# KiCad board panel.kicad_pcb
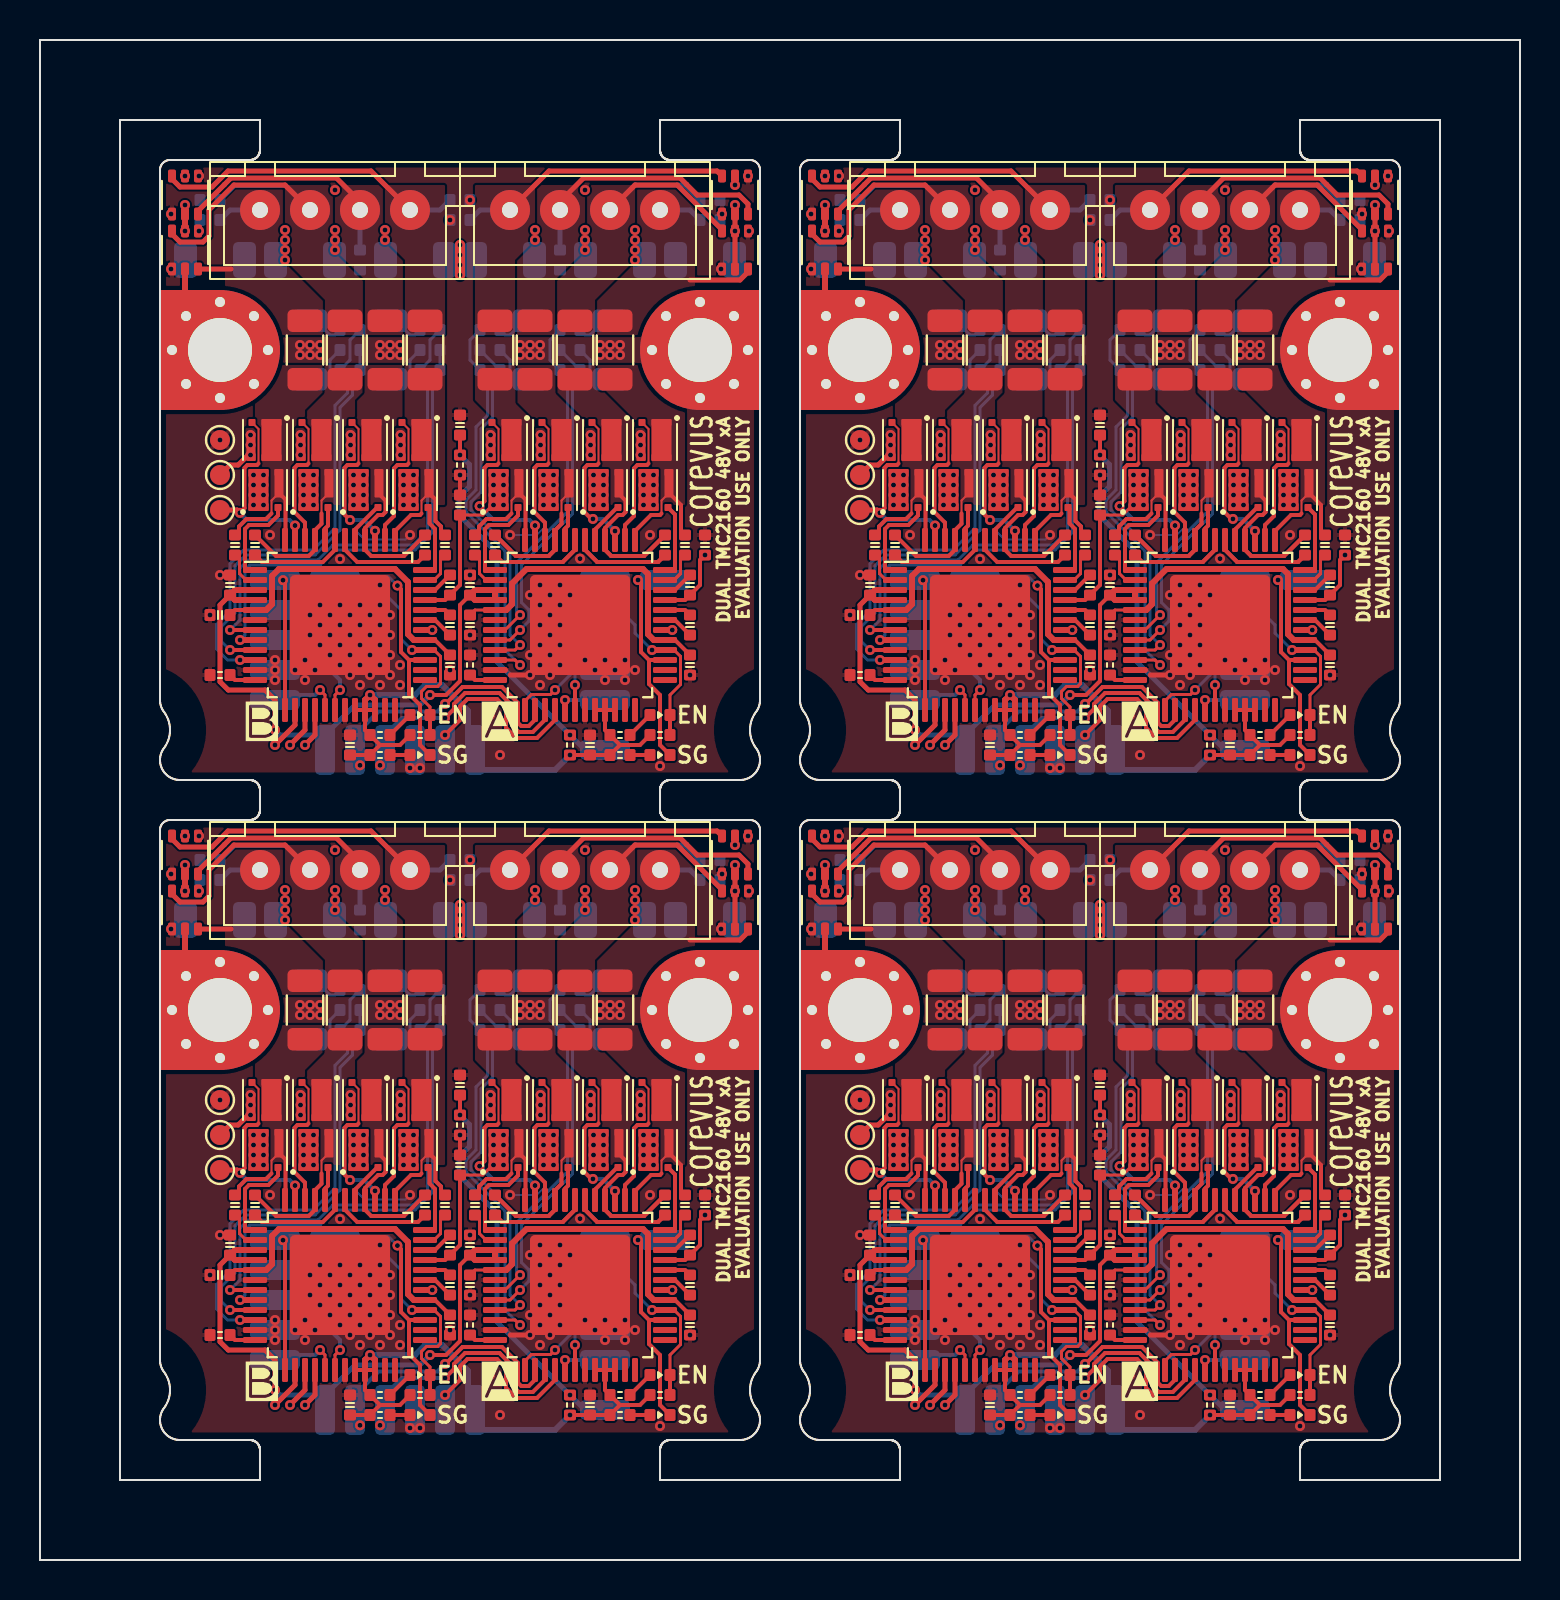
[diagram p0: board, top side]
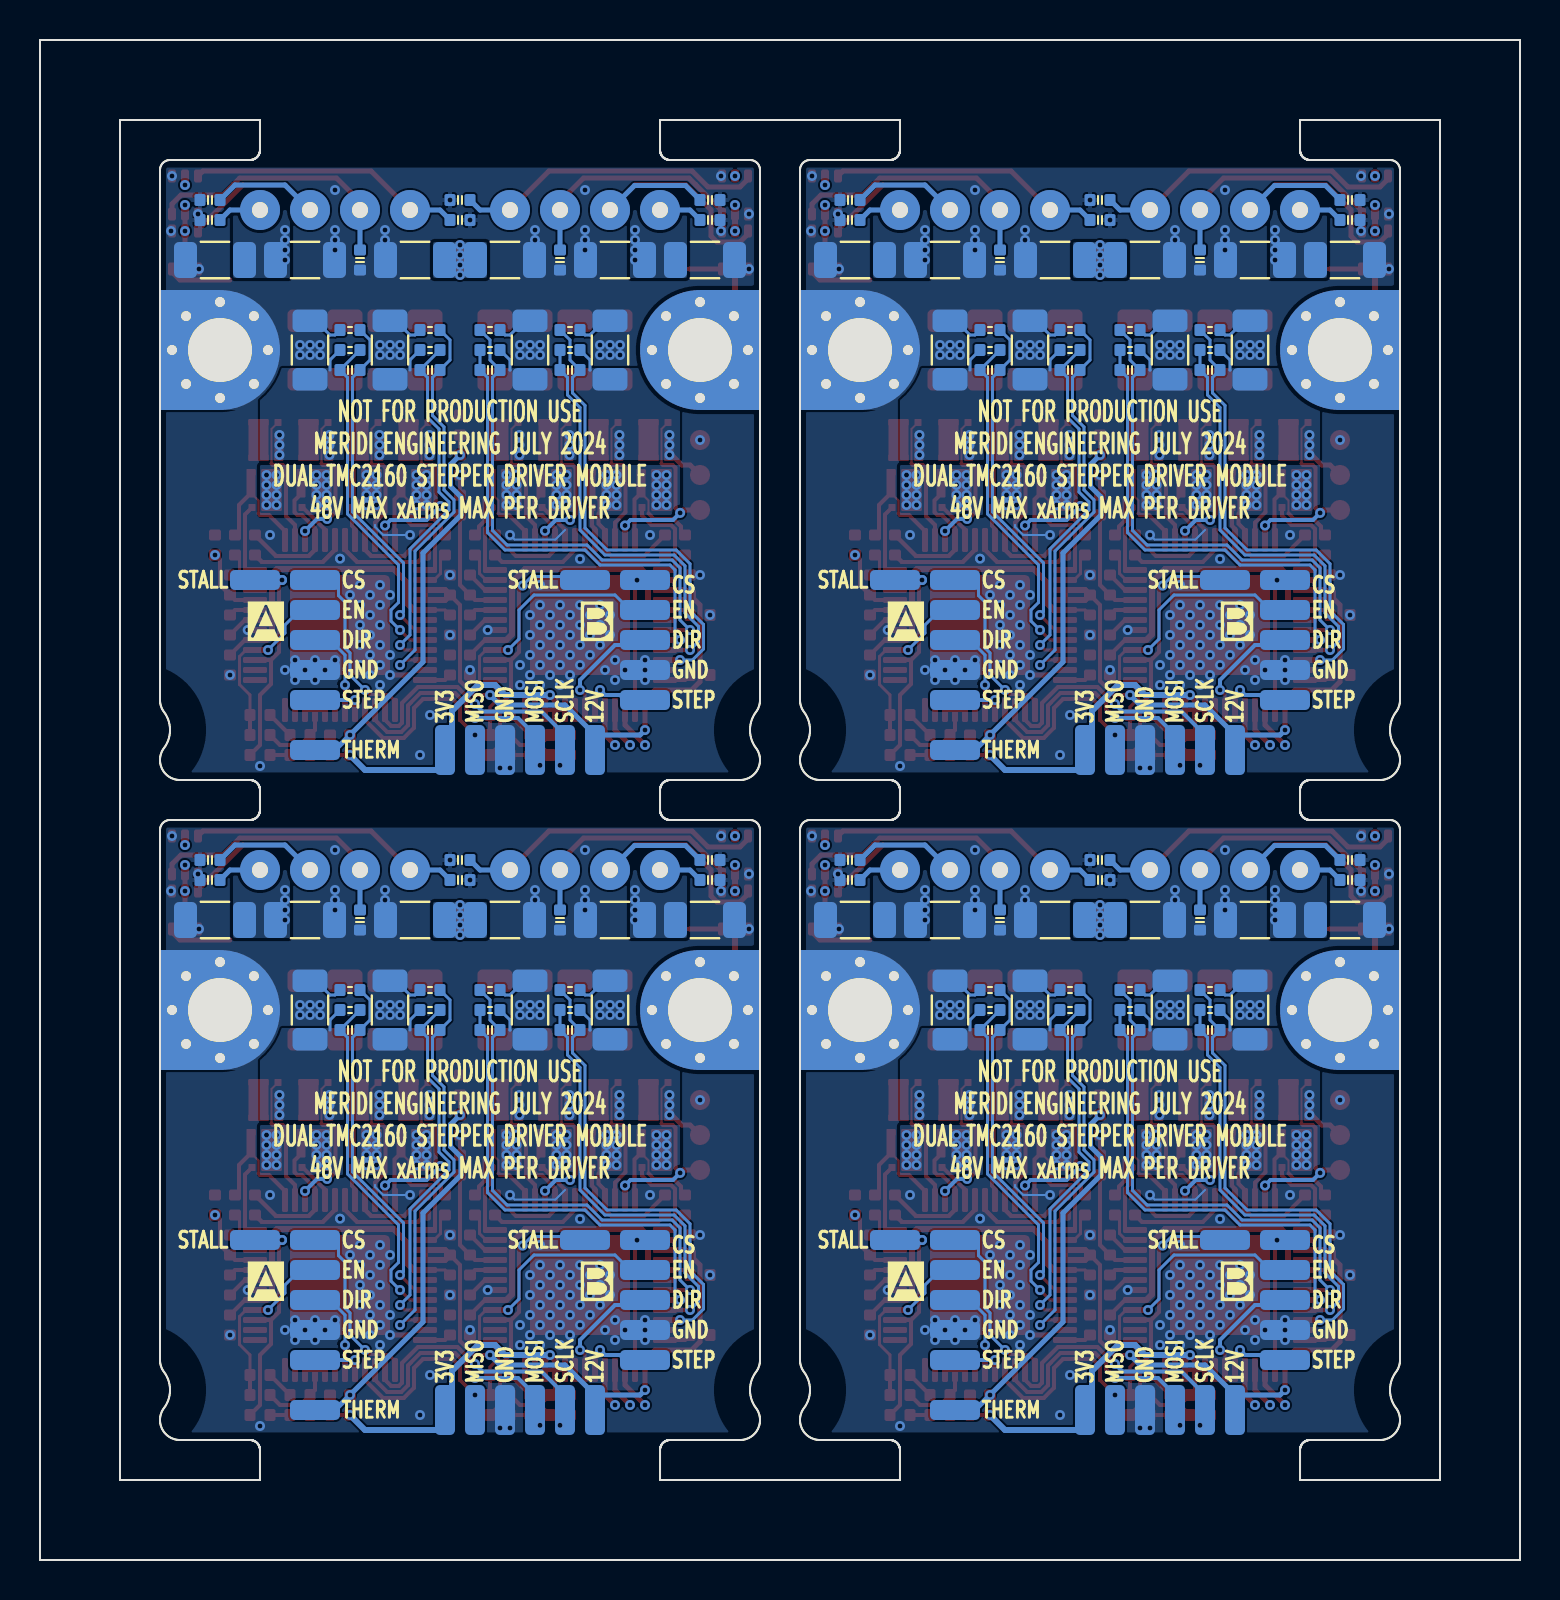
[diagram p1: board, bottom side, seen from below]

Outline 74 x 76 mm; copper layers: Top, In1.Cu, In2.Cu, In3.Cu, In4.Cu, Bottom. Coordinates in mm from the lower left corner of the outline.
Outline path: 0,76 0,0 74,0 74,76 0,76 ; 4,72 11,72 11,72 11,70.5 11,70.48 11,70.45 10.99,70.43 10.99,70.4 10.98,70.38 10.98,70.36 10.97,70.33 10.96,70.31 10.95,70.29 10.94,70.26 10.93,70.24 10.91,70.22 10.9,70.2 10.89,70.18 10.87,70.16 10.85,70.15 10.84,70.13 10.82,70.11 10.8,70.1 10.78,70.09 10.76,70.07 10.74,70.06 10.71,70.05 10.69,70.04 10.67,70.03 10.64,70.02 10.62,70.02 10.6,70.01 10.57,70.01 10.55,70 10.52,70 10.5,70 6.5,70 6.45,70 6.4,69.99 6.35,69.98 6.3,69.96 6.26,69.94 6.21,69.91 6.17,69.88 6.14,69.84 6.1,69.81 6.08,69.76 6.06,69.74 6.04,69.7 6.02,69.65 6.01,69.6 6,69.55 6,69.5 6,43 6,42.95 6.01,42.89 6.01,42.84 6.02,42.79 6.04,42.74 6.05,42.68 6.07,42.63 6.09,42.59 6.11,42.54 6.14,42.49 6.17,42.45 6.22,42.38 6.27,42.31 6.31,42.23 6.35,42.16 6.38,42.08 6.41,42 6.44,41.92 6.46,41.84 6.48,41.75 6.49,41.67 6.5,41.59 6.5,41.5 6.5,41.41 6.49,41.33 6.48,41.25 6.46,41.16 6.44,41.08 6.41,41 6.38,40.92 6.35,40.84 6.31,40.77 6.27,40.69 6.22,40.62 6.17,40.55 6.14,40.51 6.11,40.46 6.09,40.41 6.07,40.37 6.05,40.32 6.04,40.26 6.02,40.21 6.01,40.16 6.01,40.11 6,40.05 6,40 6,39.95 6.01,39.9 6.01,39.85 6.02,39.8 6.03,39.75 6.05,39.7 6.06,39.65 6.08,39.61 6.1,39.56 6.13,39.51 6.15,39.47 6.18,39.43 6.21,39.39 6.24,39.35 6.28,39.31 6.31,39.28 6.35,39.24 6.39,39.21 6.43,39.18 6.47,39.15 6.51,39.13 6.56,39.1 6.61,39.08 6.65,39.06 6.7,39.05 6.75,39.03 6.8,39.02 6.85,39.01 6.9,39.01 6.95,39 7,39 10.5,39 10.54,39 10.56,39 10.59,38.99 10.61,38.99 10.63,38.98 10.66,38.97 10.68,38.97 10.7,38.96 10.72,38.95 10.75,38.93 10.77,38.92 10.79,38.91 10.81,38.89 10.83,38.88 10.84,38.86 10.86,38.84 10.88,38.83 10.89,38.81 10.91,38.79 10.92,38.77 10.93,38.75 10.95,38.72 10.96,38.7 10.97,38.68 10.97,38.66 10.98,38.63 10.99,38.61 10.99,38.59 11,38.56 11,38.54 11,38.51 11,38.5 11,38 11,37.5 11,37.48 11,37.45 10.99,37.43 10.99,37.4 10.98,37.38 10.98,37.36 10.97,37.33 10.96,37.31 10.95,37.29 10.94,37.26 10.93,37.24 10.91,37.22 10.9,37.2 10.89,37.18 10.87,37.16 10.85,37.15 10.84,37.13 10.82,37.11 10.8,37.1 10.78,37.09 10.76,37.07 10.74,37.06 10.71,37.05 10.69,37.04 10.67,37.03 10.64,37.02 10.62,37.02 10.6,37.01 10.57,37.01 10.55,37 10.52,37 10.5,37 6.5,37 6.45,37 6.4,36.99 6.35,36.98 6.3,36.96 6.26,36.94 6.21,36.91 6.17,36.88 6.14,36.84 6.1,36.81 6.08,36.76 6.06,36.74 6.04,36.7 6.02,36.65 6.01,36.6 6,36.55 6,36.5 6,10 6,9.95 6.01,9.89 6.01,9.84 6.02,9.79 6.04,9.74 6.05,9.68 6.07,9.63 6.09,9.59 6.11,9.54 6.14,9.49 6.17,9.45 6.22,9.38 6.27,9.31 6.31,9.23 6.35,9.16 6.38,9.08 6.41,9 6.44,8.92 6.46,8.84 6.48,8.75 6.49,8.67 6.5,8.59 6.5,8.5 6.5,8.41 6.49,8.33 6.48,8.25 6.46,8.16 6.44,8.08 6.41,8 6.38,7.92 6.35,7.84 6.31,7.77 6.27,7.69 6.22,7.62 6.17,7.55 6.14,7.51 6.11,7.46 6.09,7.41 6.07,7.37 6.05,7.32 6.04,7.26 6.02,7.21 6.01,7.16 6.01,7.11 6,7.05 6,7 6,6.95 6.01,6.9 6.01,6.85 6.02,6.8 6.03,6.75 6.05,6.7 6.06,6.65 6.08,6.61 6.1,6.56 6.13,6.51 6.15,6.47 6.18,6.43 6.21,6.39 6.24,6.35 6.28,6.31 6.31,6.28 6.35,6.24 6.39,6.21 6.43,6.18 6.47,6.15 6.51,6.13 6.56,6.1 6.61,6.08 6.65,6.06 6.7,6.05 6.75,6.03 6.8,6.02 6.85,6.01 6.9,6.01 6.95,6 7,6 10.5,6 10.54,6 10.56,6 10.59,5.99 10.61,5.99 10.63,5.98 10.66,5.97 10.68,5.97 10.7,5.96 10.72,5.95 10.75,5.93 10.77,5.92 10.79,5.91 10.81,5.89 10.83,5.88 10.84,5.86 10.86,5.84 10.88,5.83 10.89,5.81 10.91,5.79 10.92,5.77 10.93,5.75 10.95,5.72 10.96,5.7 10.97,5.68 10.97,5.66 10.98,5.63 10.99,5.61 10.99,5.59 11,5.56 11,5.54 11,5.51 11,5.5 11,4 11,4 4,4 4,72 ; 31,72 43,72 43,72 43,70.5 43,70.48 43,70.45 42.99,70.43 42.99,70.4 42.98,70.38 42.98,70.36 42.97,70.33 42.96,70.31 42.95,70.29 42.94,70.26 42.93,70.24 42.91,70.22 42.9,70.2 42.89,70.18 42.87,70.16 42.85,70.15 42.84,70.13 42.82,70.11 42.8,70.1 42.78,70.09 42.76,70.07 42.74,70.06 42.71,70.05 42.69,70.04 42.67,70.03 42.64,70.02 42.62,70.02 42.6,70.01 42.57,70.01 42.55,70 42.52,70 42.5,70 38.5,70 38.45,70 38.4,69.99 38.35,69.98 38.3,69.96 38.26,69.94 38.21,69.91 38.17,69.88 38.14,69.84 38.1,69.81 38.08,69.76 38.05,69.72 38.03,69.67 38.02,69.63 38.01,69.58 38,69.55 38,69.5 38,43 38,42.95 38.01,42.89 38.01,42.84 38.02,42.79 38.04,42.74 38.05,42.68 38.07,42.63 38.09,42.59 38.11,42.54 38.14,42.49 38.17,42.45 38.22,42.38 38.27,42.31 38.31,42.23 38.35,42.16 38.38,42.08 38.41,42 38.44,41.92 38.46,41.84 38.48,41.75 38.49,41.67 38.5,41.59 38.5,41.5 38.5,41.41 38.49,41.33 38.48,41.25 38.46,41.16 38.44,41.08 38.41,41 38.38,40.92 38.35,40.84 38.31,40.77 38.27,40.69 38.22,40.62 38.17,40.55 38.14,40.51 38.11,40.46 38.09,40.41 38.07,40.37 38.05,40.32 38.04,40.26 38.02,40.21 38.01,40.16 38.01,40.11 38,40.05 38,40 38,39.95 38.01,39.9 38.01,39.85 38.02,39.8 38.03,39.75 38.05,39.7 38.06,39.65 38.08,39.61 38.1,39.56 38.13,39.51 38.15,39.47 38.18,39.43 38.21,39.39 38.24,39.35 38.28,39.31 38.31,39.28 38.35,39.24 38.39,39.21 38.43,39.18 38.47,39.15 38.51,39.13 38.56,39.1 38.61,39.08 38.65,39.06 38.7,39.05 38.75,39.03 38.8,39.02 38.85,39.01 38.9,39.01 38.95,39 39,39 42.5,39 42.54,39 42.56,39 42.59,38.99 42.61,38.99 42.63,38.98 42.66,38.97 42.68,38.97 42.7,38.96 42.72,38.95 42.75,38.93 42.77,38.92 42.79,38.91 42.81,38.89 42.83,38.88 42.84,38.86 42.86,38.84 42.88,38.83 42.89,38.81 42.91,38.79 42.92,38.77 42.93,38.75 42.95,38.72 42.96,38.7 42.97,38.68 42.97,38.66 42.98,38.63 42.99,38.61 42.99,38.59 43,38.56 43,38.54 43,38.51 43,38.5 43,38 43,37.5 43,37.48 43,37.45 42.99,37.43 42.99,37.4 42.98,37.38 42.98,37.36 42.97,37.33 42.96,37.31 42.95,37.29 42.94,37.26 42.93,37.24 42.91,37.22 42.9,37.2 42.89,37.18 42.87,37.16 42.85,37.15 42.84,37.13 42.82,37.11 42.8,37.1 42.78,37.09 42.76,37.07 42.74,37.06 42.71,37.05 42.69,37.04 42.67,37.03 42.64,37.02 42.62,37.02 42.6,37.01 42.57,37.01 42.55,37 42.52,37 42.5,37 38.5,37 38.45,37 38.4,36.99 38.35,36.98 38.3,36.96 38.26,36.94 38.21,36.91 38.17,36.88 38.14,36.84 38.1,36.81 38.08,36.76 38.05,36.72 38.03,36.67 38.02,36.63 38.01,36.58 38,36.55 38,36.5 38,10 38,9.95 38.01,9.89 38.01,9.84 38.02,9.79 38.04,9.74 38.05,9.68 38.07,9.63 38.09,9.59 38.11,9.54 38.14,9.49 38.17,9.45 38.22,9.38 38.27,9.31 38.31,9.23 38.35,9.16 38.38,9.08 38.41,9 38.44,8.92 38.46,8.84 38.48,8.75 38.49,8.67 38.5,8.59 38.5,8.5 38.5,8.41 38.49,8.33 38.48,8.25 38.46,8.16 38.44,8.08 38.41,8 38.38,7.92 38.35,7.84 38.31,7.77 38.27,7.69 38.22,7.62 38.17,7.55 38.14,7.51 38.11,7.46 38.09,7.41 38.07,7.37 38.05,7.32 38.04,7.26 38.02,7.21 38.01,7.16 38.01,7.11 38,7.05 38,7 38,6.95 38.01,6.9 38.01,6.85 38.02,6.8 38.03,6.75 38.05,6.7 38.06,6.65 38.08,6.61 38.1,6.56 38.13,6.51 38.15,6.47 38.18,6.43 38.21,6.39 38.24,6.35 38.28,6.31 38.31,6.28 38.35,6.24 38.39,6.21 38.43,6.18 38.47,6.15 38.51,6.13 38.56,6.1 38.61,6.08 38.65,6.06 38.7,6.05 38.75,6.03 38.8,6.02 38.85,6.01 38.9,6.01 38.95,6 39,6 42.5,6 42.54,6 42.56,6 42.59,5.99 42.61,5.99 42.63,5.98 42.66,5.97 42.68,5.97 42.7,5.96 42.72,5.95 42.75,5.93 42.77,5.92 42.79,5.91 42.81,5.89 42.83,5.88 42.84,5.86 42.86,5.84 42.88,5.83 42.89,5.81 42.91,5.79 42.92,5.77 42.93,5.75 42.95,5.72 42.96,5.7 42.97,5.68 42.97,5.66 42.98,5.63 42.99,5.61 42.99,5.59 43,5.56 43,5.54 43,5.51 43,5.5 43,4 43,4 31,4 31,4 31,5.5 31,5.52 31,5.55 31.01,5.57 31.01,5.6 31.02,5.62 31.02,5.64 31.03,5.67 31.04,5.69 31.05,5.71 31.06,5.74 31.07,5.76 31.09,5.78 31.1,5.8 31.11,5.82 31.13,5.84 31.15,5.85 31.16,5.87 31.18,5.89 31.2,5.9 31.22,5.91 31.24,5.93 31.26,5.94 31.29,5.95 31.31,5.96 31.33,5.97 31.36,5.98 31.38,5.98 31.4,5.99 31.43,5.99 31.45,6 31.48,6 31.5,6 35,6 35.05,6 35.1,6.01 35.15,6.01 35.2,6.02 35.25,6.03 35.3,6.05 35.35,6.06 35.39,6.08 35.44,6.1 35.49,6.13 35.53,6.15 35.57,6.18 35.61,6.21 35.65,6.24 35.69,6.28 35.72,6.31 35.76,6.35 35.79,6.39 35.82,6.43 35.85,6.47 35.87,6.51 35.9,6.56 35.92,6.61 35.94,6.65 35.95,6.7 35.97,6.75 35.98,6.8 35.99,6.85 35.99,6.9 36,6.95 36,7 36,7.05 35.99,7.11 35.99,7.16 35.98,7.21 35.96,7.26 35.95,7.32 35.93,7.37 35.91,7.41 35.89,7.46 35.86,7.51 35.83,7.55 35.78,7.62 35.73,7.69 35.69,7.77 35.65,7.84 35.62,7.92 35.59,8 35.56,8.08 35.54,8.16 35.52,8.25 35.51,8.33 35.5,8.41 35.5,8.5 35.5,8.59 35.51,8.67 35.52,8.75 35.54,8.84 35.56,8.92 35.59,9 35.62,9.08 35.65,9.16 35.69,9.23 35.73,9.31 35.78,9.38 35.83,9.45 35.86,9.49 35.89,9.54 35.91,9.59 35.93,9.63 35.95,9.68 35.96,9.74 35.98,9.79 35.99,9.84 35.99,9.89 36,9.95 36,10 36,36.5 36,36.55 35.99,36.6 35.98,36.65 35.96,36.7 35.94,36.74 35.91,36.79 35.88,36.83 35.84,36.86 35.81,36.9 35.76,36.92 35.72,36.95 35.67,36.97 35.63,36.98 35.58,36.99 35.55,37 35.5,37 31.5,37 31.46,37 31.44,37 31.41,37.01 31.39,37.01 31.37,37.02 31.34,37.03 31.32,37.03 31.3,37.04 31.28,37.05 31.25,37.07 31.23,37.08 31.21,37.09 31.19,37.11 31.17,37.12 31.16,37.14 31.14,37.16 31.12,37.17 31.11,37.19 31.09,37.21 31.08,37.23 31.07,37.25 31.05,37.28 31.04,37.3 31.03,37.32 31.03,37.34 31.02,37.37 31.01,37.39 31.01,37.41 31,37.44 31,37.46 31,37.49 31,37.5 31,38 31,38.5 31,38.52 31,38.55 31.01,38.57 31.01,38.6 31.02,38.62 31.02,38.64 31.03,38.67 31.04,38.69 31.05,38.71 31.06,38.74 31.07,38.76 31.09,38.78 31.1,38.8 31.11,38.82 31.13,38.84 31.15,38.85 31.16,38.87 31.18,38.89 31.2,38.9 31.22,38.91 31.24,38.93 31.26,38.94 31.29,38.95 31.31,38.96 31.33,38.97 31.36,38.98 31.38,38.98 31.4,38.99 31.43,38.99 31.45,39 31.48,39 31.5,39 35,39 35.05,39 35.1,39.01 35.15,39.01 35.2,39.02 35.25,39.03 35.3,39.05 35.35,39.06 35.39,39.08 35.44,39.1 35.49,39.13 35.53,39.15 35.57,39.18 35.61,39.21 35.65,39.24 35.69,39.28 35.72,39.31 35.76,39.35 35.79,39.39 35.82,39.43 35.85,39.47 35.87,39.51 35.9,39.56 35.92,39.61 35.94,39.65 35.95,39.7 35.97,39.75 35.98,39.8 35.99,39.85 35.99,39.9 36,39.95 36,40 36,40.05 35.99,40.11 35.99,40.16 35.98,40.21 35.96,40.26 35.95,40.32 35.93,40.37 35.91,40.41 35.89,40.46 35.86,40.51 35.83,40.55 35.78,40.62 35.73,40.69 35.69,40.77 35.65,40.84 35.62,40.92 35.59,41 35.56,41.08 35.54,41.16 35.52,41.25 35.51,41.33 35.5,41.41 35.5,41.5 35.5,41.59 35.51,41.67 35.52,41.75 35.54,41.84 35.56,41.92 35.59,42 35.62,42.08 35.65,42.16 35.69,42.23 35.73,42.31 35.78,42.38 35.83,42.45 35.86,42.49 35.89,42.54 35.91,42.59 35.93,42.63 35.95,42.68 35.96,42.74 35.98,42.79 35.99,42.84 35.99,42.89 36,42.95 36,43 36,69.5 36,69.55 35.99,69.6 35.98,69.65 35.96,69.7 35.94,69.74 35.91,69.79 35.88,69.83 35.84,69.86 35.81,69.9 35.76,69.92 35.74,69.94 35.7,69.96 35.65,69.98 35.6,69.99 35.55,70 35.5,70 31.5,70 31.46,70 31.44,70 31.41,70.01 31.39,70.01 31.37,70.02 31.34,70.03 31.32,70.03 31.3,70.04 31.28,70.05 31.25,70.07 31.23,70.08 31.21,70.09 31.19,70.11 31.17,70.12 31.16,70.14 31.14,70.16 31.12,70.17 31.11,70.19 31.09,70.21 31.08,70.23 31.07,70.25 31.05,70.28 31.04,70.3 31.03,70.32 31.03,70.34 31.02,70.37 31.01,70.39 31.01,70.41 31,70.44 31,70.46 31,70.49 31,70.5 31,72 31,72 ; 63,72 70,72 70,4 63,4 63,4 63,5.5 63,5.52 63,5.55 63.01,5.57 63.01,5.6 63.02,5.62 63.02,5.64 63.03,5.67 63.04,5.69 63.05,5.71 63.06,5.74 63.07,5.76 63.09,5.78 63.1,5.8 63.11,5.82 63.13,5.84 63.15,5.85 63.16,5.87 63.18,5.89 63.2,5.9 63.22,5.91 63.24,5.93 63.26,5.94 63.29,5.95 63.31,5.96 63.33,5.97 63.36,5.98 63.38,5.98 63.4,5.99 63.43,5.99 63.45,6 63.48,6 63.5,6 67,6 67.05,6 67.1,6.01 67.15,6.01 67.2,6.02 67.25,6.03 67.3,6.05 67.35,6.06 67.39,6.08 67.44,6.1 67.49,6.13 67.53,6.15 67.57,6.18 67.61,6.21 67.65,6.24 67.69,6.28 67.72,6.31 67.76,6.35 67.79,6.39 67.82,6.43 67.85,6.47 67.87,6.51 67.9,6.56 67.92,6.61 67.94,6.65 67.95,6.7 67.97,6.75 67.98,6.8 67.99,6.85 67.99,6.9 68,6.95 68,7 68,7.05 67.99,7.11 67.99,7.16 67.98,7.21 67.96,7.26 67.95,7.32 67.93,7.37 67.91,7.41 67.89,7.46 67.86,7.51 67.83,7.55 67.78,7.62 67.73,7.69 67.69,7.77 67.65,7.84 67.62,7.92 67.59,8 67.56,8.08 67.54,8.16 67.52,8.25 67.51,8.33 67.5,8.41 67.5,8.5 67.5,8.59 67.51,8.67 67.52,8.75 67.54,8.84 67.56,8.92 67.59,9 67.62,9.08 67.65,9.16 67.69,9.23 67.73,9.31 67.78,9.38 67.83,9.45 67.86,9.49 67.89,9.54 67.91,9.59 67.93,9.63 67.95,9.68 67.96,9.74 67.98,9.79 67.99,9.84 67.99,9.89 68,9.95 68,10 68,36.5 68,36.55 67.99,36.6 67.98,36.65 67.96,36.7 67.94,36.74 67.91,36.79 67.88,36.83 67.84,36.86 67.81,36.9 67.76,36.92 67.72,36.95 67.67,36.97 67.63,36.98 67.58,36.99 67.55,37 67.5,37 63.5,37 63.46,37 63.44,37 63.41,37.01 63.39,37.01 63.37,37.02 63.34,37.03 63.32,37.03 63.3,37.04 63.28,37.05 63.25,37.07 63.23,37.08 63.21,37.09 63.19,37.11 63.17,37.12 63.16,37.14 63.14,37.16 63.12,37.17 63.11,37.19 63.09,37.21 63.08,37.23 63.07,37.25 63.05,37.28 63.04,37.3 63.03,37.32 63.03,37.34 63.02,37.37 63.01,37.39 63.01,37.41 63,37.44 63,37.46 63,37.49 63,37.5 63,38 63,38.5 63,38.52 63,38.55 63.01,38.57 63.01,38.6 63.02,38.62 63.02,38.64 63.03,38.67 63.04,38.69 63.05,38.71 63.06,38.74 63.07,38.76 63.09,38.78 63.1,38.8 63.11,38.82 63.13,38.84 63.15,38.85 63.16,38.87 63.18,38.89 63.2,38.9 63.22,38.91 63.24,38.93 63.26,38.94 63.29,38.95 63.31,38.96 63.33,38.97 63.36,38.98 63.38,38.98 63.4,38.99 63.43,38.99 63.45,39 63.48,39 63.5,39 67,39 67.05,39 67.1,39.01 67.15,39.01 67.2,39.02 67.25,39.03 67.3,39.05 67.35,39.06 67.39,39.08 67.44,39.1 67.49,39.13 67.53,39.15 67.57,39.18 67.61,39.21 67.65,39.24 67.69,39.28 67.72,39.31 67.76,39.35 67.79,39.39 67.82,39.43 67.85,39.47 67.87,39.51 67.9,39.56 67.92,39.61 67.94,39.65 67.95,39.7 67.97,39.75 67.98,39.8 67.99,39.85 67.99,39.9 68,39.95 68,40 68,40.05 67.99,40.11 67.99,40.16 67.98,40.21 67.96,40.26 67.95,40.32 67.93,40.37 67.91,40.41 67.89,40.46 67.86,40.51 67.83,40.55 67.78,40.62 67.73,40.69 67.69,40.77 67.65,40.84 67.62,40.92 67.59,41 67.56,41.08 67.54,41.16 67.52,41.25 67.51,41.33 67.5,41.41 67.5,41.5 67.5,41.59 67.51,41.67 67.52,41.75 67.54,41.84 67.56,41.92 67.59,42 67.62,42.08 67.65,42.16 67.69,42.23 67.73,42.31 67.78,42.38 67.83,42.45 67.86,42.49 67.89,42.54 67.91,42.59 67.93,42.63 67.95,42.68 67.96,42.74 67.98,42.79 67.99,42.84 67.99,42.89 68,42.95 68,43 68,69.5 68,69.55 67.99,69.6 67.98,69.65 67.96,69.7 67.94,69.74 67.91,69.79 67.9,69.81 67.86,69.84 67.83,69.88 67.79,69.91 67.74,69.94 67.7,69.96 67.65,69.98 67.6,69.99 67.55,70 67.5,70 63.5,70 63.46,70 63.44,70 63.41,70.01 63.39,70.01 63.37,70.02 63.34,70.03 63.32,70.03 63.3,70.04 63.28,70.05 63.25,70.07 63.23,70.08 63.21,70.09 63.19,70.11 63.17,70.12 63.16,70.14 63.14,70.16 63.12,70.17 63.11,70.19 63.09,70.21 63.08,70.23 63.07,70.25 63.05,70.28 63.04,70.3 63.03,70.32 63.03,70.34 63.02,70.37 63.01,70.39 63.01,70.41 63,70.44 63,70.46 63,70.49 63,70.5 63,72 63,72
Stack: Top 0.035mm / dielectric 0.1mm FR4 er 4.5 / In1.Cu 0.035mm / dielectric 0.535mm FR4 er 4.5 / In2.Cu 0.035mm / dielectric 0.1mm FR4 er 4.5 / In3.Cu 0.035mm / dielectric 0.535mm FR4 er 4.5 / In4.Cu 0.035mm / dielectric 0.1mm FR4 er 4.5 / Bottom 0.035mm

## Placement (name value [footprint] x y rotation side)
C1  1μF 25V  [0402C]  32.5 15.75 270 top
C1#2  1μF 25V  [0402C]  64.5 48.75 270 top
C1#3  1μF 25V  [0402C]  64.5 15.75 270 top
C1#4  1μF 25V  [0402C]  32.5 48.75 270 top
C2  100nF 100V  [0402C]  32.5 13.75 90 top
C2#2  100nF 100V  [0402C]  64.5 46.75 90 top
C2#3  100nF 100V  [0402C]  32.5 46.75 90 top
C2#4  100nF 100V  [0402C]  64.5 13.75 90 top
C3  1µF  [0402C]  59.5 40.75 270 top
C3#2  1µF  [0402C]  27.5 40.75 270 top
C3#3  1µF  [0402C]  27.5 7.75 270 top
C3#4  1µF  [0402C]  59.5 7.75 270 top
C4  1μF  [0402C]  21.5 13.75 90 top
C4#2  1μF  [0402C]  21.5 46.75 90 top
C4#3  1μF  [0402C]  53.5 13.75 90 top
C4#4  1μF  [0402C]  53.5 46.75 90 top
C5  1µF  [0402C]  64.5 11.75 90 top
C5#2  1µF  [0402C]  32.5 44.75 90 top
C5#3  1µF  [0402C]  32.5 11.75 90 top
C5#4  1µF  [0402C]  64.5 44.75 90 top
C6  1μF  [0402C]  53.5 15.75 90 top
C6#2  1μF  [0402C]  21.5 15.75 90 top
C6#3  1μF  [0402C]  53.5 48.75 90 top
C6#4  1μF  [0402C]  21.5 48.75 90 top
C7  100nF 100V  [0402C]  65.25 17.75 90 top
C7#2  100nF 100V  [0402C]  33.25 17.75 90 top
C7#3  100nF 100V  [0402C]  33.25 50.75 90 top
C7#4  100nF 100V  [0402C]  65.25 50.75 90 top
C8  1μF 25V  [0402C]  21.75 50.75 90 top
C8#2  1μF 25V  [0402C]  21.75 17.75 90 top
C8#3  1μF 25V  [0402C]  53.75 50.75 90 top
C8#4  1μF 25V  [0402C]  53.75 17.75 90 top
C9  1μF 25V  [0402C]  54.75 50.75 90 top
C9#2  1μF 25V  [0402C]  22.75 50.75 90 top
C9#3  1μF 25V  [0402C]  54.75 17.75 90 top
C9#4  1μF 25V  [0402C]  22.75 17.75 90 top
C10  1μF 25V  [0402C]  31.25 50.75 90 top
C10#2  1μF 25V  [0402C]  63.25 17.75 90 top
C10#3  1μF 25V  [0402C]  63.25 50.75 90 top
C10#4  1μF 25V  [0402C]  31.25 17.75 90 top
C11  1μF 25V  [0402C]  64.25 50.75 90 top
C11#2  1μF 25V  [0402C]  64.25 17.75 90 top
C11#3  1μF 25V  [0402C]  32.25 17.75 90 top
C11#4  1μF 25V  [0402C]  32.25 50.75 90 top
C12  1μF 100V  [C_1206_3216Metric]  8.75 32 180 bottom
C12#2  1μF 100V  [C_1206_3216Metric]  40.75 65 180 bottom
C12#3  1μF 100V  [C_1206_3216Metric]  8.75 65 180 bottom
C12#4  1μF 100V  [C_1206_3216Metric]  40.75 32 180 bottom
C13  1μF  [0402C]  53 56.75 90 top
C13#2  1μF  [0402C]  21 56.75 90 top
C13#3  1μF  [0402C]  53 23.75 90 top
C13#4  1μF  [0402C]  21 23.75 90 top
C14  1μF 100V  [C_1206_3216Metric]  45.25 65 0 bottom
C14#2  1μF 100V  [C_1206_3216Metric]  45.25 32 0 bottom
C14#3  1μF 100V  [C_1206_3216Metric]  13.25 65 0 bottom
C14#4  1μF 100V  [C_1206_3216Metric]  13.25 32 0 bottom
C15  1μF 100V  [C_1206_3216Metric]  18.75 32 180 bottom
C15#2  1μF 100V  [C_1206_3216Metric]  18.75 65 180 bottom
C15#3  1μF 100V  [C_1206_3216Metric]  50.75 65 180 bottom
C15#4  1μF 100V  [C_1206_3216Metric]  50.75 32 180 bottom
C16  1nF 100V  [0402C]  65.5 67 180 bottom
C16#2  1nF 100V  [0402C]  33.5 34 180 bottom
C16#3  1nF 100V  [0402C]  65.5 34 180 bottom
C16#4  1nF 100V  [0402C]  33.5 67 180 bottom
C17  1nF 100V  [0402C]  65.5 35 180 bottom
C17#2  1nF 100V  [0402C]  65.5 68 180 bottom
C17#3  1nF 100V  [0402C]  33.5 35 180 bottom
C17#4  1nF 100V  [0402C]  33.5 68 180 bottom
C18  1nF 100V  [0402C]  58 65 90 bottom
C18#2  1nF 100V  [0402C]  58 32 90 bottom
C18#3  1nF 100V  [0402C]  26 65 90 bottom
C18#4  1nF 100V  [0402C]  26 32 90 bottom
C19  1nF 100V  [0402C]  53 67 0 bottom
C19#2  1nF 100V  [0402C]  21 67 0 bottom
C19#3  1nF 100V  [0402C]  21 34 0 bottom
C19#4  1nF 100V  [0402C]  53 34 0 bottom
C20  1nF  [0402C]  54.5 26.5 0 bottom
C20#2  1nF  [0402C]  22.5 59.5 0 bottom
C20#3  1nF  [0402C]  54.5 59.5 0 bottom
C20#4  1nF  [0402C]  22.5 26.5 0 bottom
C21  1nF  [0402C]  58.5 26.5 0 bottom
C21#2  1nF  [0402C]  26.5 59.5 0 bottom
C21#3  1nF  [0402C]  58.5 59.5 0 bottom
C21#4  1nF  [0402C]  26.5 26.5 0 bottom
C22  1μF 25V  [0402C]  52.5 48.75 270 top
C22#2  1μF 25V  [0402C]  20.5 15.75 270 top
C22#3  1μF 25V  [0402C]  20.5 48.75 270 top
C22#4  1μF 25V  [0402C]  52.5 15.75 270 top
C23  100nF 100V  [0402C]  52.5 13.75 90 top
C23#2  100nF 100V  [0402C]  20.5 13.75 90 top
C23#3  100nF 100V  [0402C]  20.5 46.75 90 top
C23#4  100nF 100V  [0402C]  52.5 46.75 90 top
C24  1μF  [0402C]  9 47.25 0 top
C24#2  1μF  [0402C]  41 47.25 0 top
C24#3  1μF  [0402C]  41 14.25 0 top
C24#4  1μF  [0402C]  9 14.25 0 top
C25  1µF  [0402C]  20.5 44.75 90 top
C25#2  1µF  [0402C]  20.5 11.75 90 top
C25#3  1µF  [0402C]  52.5 11.75 90 top
C25#4  1µF  [0402C]  52.5 44.75 90 top
C26  1µF  [0402C]  47.5 40.75 270 top
C26#2  1µF  [0402C]  15.5 40.75 270 top
C26#3  1µF  [0402C]  15.5 7.75 270 top
C26#4  1µF  [0402C]  47.5 7.75 270 top
C27  1μF  [0402C]  9.5 48.75 90 top
C27#2  1μF  [0402C]  9.5 15.75 90 top
C27#3  1μF  [0402C]  41.5 48.75 90 top
C27#4  1μF  [0402C]  41.5 15.75 90 top
C28  100nF 100V  [0402C]  53 52.75 90 top
C28#2  100nF 100V  [0402C]  53 19.75 90 top
C28#3  100nF 100V  [0402C]  21 19.75 90 top
C28#4  100nF 100V  [0402C]  21 52.75 90 top
C29  1μF 25V  [0402C]  9.75 17.75 90 top
C29#2  1μF 25V  [0402C]  41.75 17.75 90 top
C29#3  1μF 25V  [0402C]  41.75 50.75 90 top
C29#4  1μF 25V  [0402C]  9.75 50.75 90 top
C30  1μF 25V  [0402C]  42.75 17.75 90 top
C30#2  1μF 25V  [0402C]  42.75 50.75 90 top
C30#3  1μF 25V  [0402C]  10.75 50.75 90 top
C30#4  1μF 25V  [0402C]  10.75 17.75 90 top
C31  1μF 25V  [0402C]  19.25 50.75 90 top
C31#2  1μF 25V  [0402C]  51.25 50.75 90 top
C31#3  1μF 25V  [0402C]  51.25 17.75 90 top
C31#4  1μF 25V  [0402C]  19.25 17.75 90 top
C32  1μF 25V  [0402C]  52.25 17.75 90 top
C32#2  1μF 25V  [0402C]  20.25 50.75 90 top
C32#3  1μF 25V  [0402C]  20.25 17.75 90 top
C32#4  1μF 25V  [0402C]  52.25 50.75 90 top
C33  1nF  [0402C]  15.5 59.5 0 bottom
C33#2  1nF  [0402C]  47.5 59.5 0 bottom
C33#3  1nF  [0402C]  15.5 26.5 0 bottom
C33#4  1nF  [0402C]  47.5 26.5 0 bottom
C34  1nF 100V  [0402C]  53 35 180 bottom
C34#2  1nF 100V  [0402C]  53 68 180 bottom
C34#3  1nF 100V  [0402C]  21 35 180 bottom
C34#4  1nF 100V  [0402C]  21 68 180 bottom
C35  1nF 100V  [0402C]  48 32 90 bottom
C35#2  1nF 100V  [0402C]  16 32 90 bottom
C35#3  1nF 100V  [0402C]  48 65 90 bottom
C35#4  1nF 100V  [0402C]  16 65 90 bottom
C36  1nF 100V  [0402C]  40.5 68 0 bottom
C36#2  1nF 100V  [0402C]  8.5 35 0 bottom
C36#3  1nF 100V  [0402C]  8.5 68 0 bottom
C36#4  1nF 100V  [0402C]  40.5 35 0 bottom
C37  1nF 100V  [0402C]  8.5 34 0 bottom
C37#2  1nF 100V  [0402C]  8.5 67 0 bottom
C37#3  1nF 100V  [0402C]  40.5 34 0 bottom
C37#4  1nF 100V  [0402C]  40.5 67 0 bottom
C38  1μF 100V  [C_1206_3216Metric]  23.25 65 0 bottom
C38#2  1μF 100V  [C_1206_3216Metric]  55.25 32 0 bottom
C38#3  1μF 100V  [C_1206_3216Metric]  23.25 32 0 bottom
C38#4  1μF 100V  [C_1206_3216Metric]  55.25 65 0 bottom
C39  1μF 100V  [C_1206_3216Metric]  28.75 65 180 bottom
C39#2  1μF 100V  [C_1206_3216Metric]  28.75 32 180 bottom
C39#3  1μF 100V  [C_1206_3216Metric]  60.75 65 180 bottom
C39#4  1μF 100V  [C_1206_3216Metric]  60.75 32 180 bottom
C40  1μF 100V  [C_1206_3216Metric]  65.25 65 0 bottom
C40#2  1μF 100V  [C_1206_3216Metric]  33.25 65 0 bottom
C40#3  1μF 100V  [C_1206_3216Metric]  65.25 32 0 bottom
C40#4  1μF 100V  [C_1206_3216Metric]  33.25 32 0 bottom
C41  1nF  [0402C]  51.5 59.5 0 bottom
C41#2  1nF  [0402C]  19.5 59.5 0 bottom
C41#3  1nF  [0402C]  51.5 26.5 0 bottom
C41#4  1nF  [0402C]  19.5 26.5 0 bottom
D1  Grn  [0402LED]  63 42.25 180 top
D1#2  Grn  [0402LED]  63 9.25 180 top
D1#3  Grn  [0402LED]  31 42.25 180 top
D1#4  Grn  [0402LED]  31 9.25 180 top
D2  Ylw  [0402LED]  63 7.25 180 top
D2#2  Ylw  [0402LED]  63 40.25 180 top
D2#3  Ylw  [0402LED]  31 40.25 180 top
D2#4  Ylw  [0402LED]  31 7.25 180 top
D3  BAV99S  [SOT-363_SC-70-6]  66.75 68.25 270 top
D3#2  BAV99S  [SOT-363_SC-70-6]  34.75 35.25 270 top
D3#3  BAV99S  [SOT-363_SC-70-6]  34.75 68.25 270 top
D3#4  BAV99S  [SOT-363_SC-70-6]  66.75 35.25 270 top
D4  BAV99S  [SOT-363_SC-70-6]  34.75 32.5 90 top
D4#2  BAV99S  [SOT-363_SC-70-6]  66.75 32.5 90 top
D4#3  BAV99S  [SOT-363_SC-70-6]  66.75 65.5 90 top
D4#4  BAV99S  [SOT-363_SC-70-6]  34.75 65.5 90 top
D5  Grn  [0402LED]  19 9.25 180 top
D5#2  Grn  [0402LED]  51 9.25 180 top
D5#3  Grn  [0402LED]  51 42.25 180 top
D5#4  Grn  [0402LED]  19 42.25 180 top
D6  Ylw  [0402LED]  19 40.25 180 top
D6#2  Ylw  [0402LED]  19 7.25 180 top
D6#3  Ylw  [0402LED]  51 40.25 180 top
D6#4  Ylw  [0402LED]  51 7.25 180 top
D7  BAV99S  [SOT-363_SC-70-6]  39.25 68.25 270 top
D7#2  BAV99S  [SOT-363_SC-70-6]  39.25 35.25 270 top
D7#3  BAV99S  [SOT-363_SC-70-6]  7.25 35.25 270 top
D7#4  BAV99S  [SOT-363_SC-70-6]  7.25 68.25 270 top
D8  BAV99S  [SOT-363_SC-70-6]  7.25 65.5 90 top
D8#2  BAV99S  [SOT-363_SC-70-6]  39.25 32.5 90 top
D8#3  BAV99S  [SOT-363_SC-70-6]  39.25 65.5 90 top
D8#4  BAV99S  [SOT-363_SC-70-6]  7.25 32.5 90 top
FB1  30Ω@100MHz  [R_1206_3216Metric]  60.75 60.5 270 top
FB1#2  30Ω@100MHz  [R_1206_3216Metric]  28.75 60.5 270 top
FB1#3  30Ω@100MHz  [R_1206_3216Metric]  60.75 27.5 270 top
FB1#4  30Ω@100MHz  [R_1206_3216Metric]  28.75 27.5 270 top
FB2  30Ω@100MHz  [R_1206_3216Metric]  26.75 27.5 270 top
FB2#2  30Ω@100MHz  [R_1206_3216Metric]  26.75 60.5 270 top
FB2#3  30Ω@100MHz  [R_1206_3216Metric]  58.75 60.5 270 top
FB2#4  30Ω@100MHz  [R_1206_3216Metric]  58.75 27.5 270 top
FB3  30Ω@100MHz  [R_1206_3216Metric]  24.75 27.5 270 top
FB3#2  30Ω@100MHz  [R_1206_3216Metric]  24.75 60.5 270 top
FB3#3  30Ω@100MHz  [R_1206_3216Metric]  56.75 27.5 270 top
FB3#4  30Ω@100MHz  [R_1206_3216Metric]  56.75 60.5 270 top
FB4  30Ω@100MHz  [R_1206_3216Metric]  54.75 60.5 270 top
FB4#2  30Ω@100MHz  [R_1206_3216Metric]  22.75 60.5 270 top
FB4#3  30Ω@100MHz  [R_1206_3216Metric]  22.75 27.5 270 top
FB4#4  30Ω@100MHz  [R_1206_3216Metric]  54.75 27.5 270 top
FB5  30Ω@100MHz  [R_1206_3216Metric]  51.25 60.5 270 top
FB5#2  30Ω@100MHz  [R_1206_3216Metric]  19.25 60.5 270 top
FB5#3  30Ω@100MHz  [R_1206_3216Metric]  51.25 27.5 270 top
FB5#4  30Ω@100MHz  [R_1206_3216Metric]  19.25 27.5 270 top
FB6  30Ω@100MHz  [R_1206_3216Metric]  49.25 60.5 270 top
FB6#2  30Ω@100MHz  [R_1206_3216Metric]  49.25 27.5 270 top
FB6#3  30Ω@100MHz  [R_1206_3216Metric]  17.25 27.5 270 top
FB6#4  30Ω@100MHz  [R_1206_3216Metric]  17.25 60.5 270 top
FB7  30Ω@100MHz  [R_1206_3216Metric]  15.25 27.5 270 top
FB7#2  30Ω@100MHz  [R_1206_3216Metric]  15.25 60.5 270 top
FB7#3  30Ω@100MHz  [R_1206_3216Metric]  47.25 27.5 270 top
FB7#4  30Ω@100MHz  [R_1206_3216Metric]  47.25 60.5 270 top
FB8  30Ω@100MHz  [R_1206_3216Metric]  45.25 27.5 270 top
FB8#2  30Ω@100MHz  [R_1206_3216Metric]  13.25 27.5 270 top
FB8#3  30Ω@100MHz  [R_1206_3216Metric]  45.25 60.5 270 top
FB8#4  30Ω@100MHz  [R_1206_3216Metric]  13.25 60.5 270 top
H1  VM  [MountingHole_M3_Driver]  41 27.5 90 top
H1#2  VM  [MountingHole_M3_Driver]  9 60.5 90 top
H1#3  VM  [MountingHole_M3_Driver]  41 60.5 90 top
H1#4  VM  [MountingHole_M3_Driver]  9 27.5 90 top
H2  Gnd  [MountingHole_M3_Driver]  65 60.5 270 top
H2#2  Gnd  [MountingHole_M3_Driver]  33 27.5 270 top
H2#3  Gnd  [MountingHole_M3_Driver]  65 27.5 270 top
H2#4  Gnd  [MountingHole_M3_Driver]  33 60.5 270 top
J1  XH  [JST_XH_1x04]  59.25 67.5 0 top
J1#2  XH  [JST_XH_1x04]  59.25 34.5 0 top
J1#3  XH  [JST_XH_1x04]  27.25 34.5 0 top
J1#4  XH  [JST_XH_1x04]  27.25 67.5 0 top
J2  XH  [JST_XH_1x04]  14.75 67.5 0 top
J2#2  XH  [JST_XH_1x04]  14.75 34.5 0 top
J2#3  XH  [JST_XH_1x04]  46.75 34.5 0 top
J2#4  XH  [JST_XH_1x04]  46.75 67.5 0 top
NT1  NetTie_2  [NetTie-2_SMD_Pad0.1mm]  23.82 28.57 45 bottom
NT1#2  NetTie_2  [NetTie-2_SMD_Pad0.1mm]  55.82 61.57 45 bottom
NT1#3  NetTie_2  [NetTie-2_SMD_Pad0.1mm]  23.82 61.57 45 bottom
NT1#4  NetTie_2  [NetTie-2_SMD_Pad0.1mm]  55.82 28.57 45 bottom
NT2  NetTie_2  [NetTie-2_SMD_Pad0.1mm]  59.82 28.57 225 bottom
NT2#2  NetTie_2  [NetTie-2_SMD_Pad0.1mm]  59.82 61.57 225 bottom
NT2#3  NetTie_2  [NetTie-2_SMD_Pad0.1mm]  27.82 28.57 225 bottom
NT2#4  NetTie_2  [NetTie-2_SMD_Pad0.1mm]  27.82 61.57 225 bottom
NT3  NetTie_2  [NetTie-2_SMD_Pad0.1mm]  14.18 61.57 135 bottom
NT3#2  NetTie_2  [NetTie-2_SMD_Pad0.1mm]  46.18 28.57 135 bottom
NT3#3  NetTie_2  [NetTie-2_SMD_Pad0.1mm]  14.18 28.57 135 bottom
NT3#4  NetTie_2  [NetTie-2_SMD_Pad0.1mm]  46.18 61.57 135 bottom
NT4  NetTie_2  [NetTie-2_SMD_Pad0.1mm]  50.18 28.57 315 bottom
NT4#2  NetTie_2  [NetTie-2_SMD_Pad0.1mm]  18.18 28.57 315 bottom
NT4#3  NetTie_2  [NetTie-2_SMD_Pad0.1mm]  50.18 61.57 315 bottom
NT4#4  NetTie_2  [NetTie-2_SMD_Pad0.1mm]  18.18 61.57 315 bottom
Q1  DMT6016  [DMT6016LFDF]  23.25 53.5 0 top
Q1#2  DMT6016  [DMT6016LFDF]  55.25 20.5 0 top
Q1#3  DMT6016  [DMT6016LFDF]  23.25 20.5 0 top
Q1#4  DMT6016  [DMT6016LFDF]  55.25 53.5 0 top
Q2  DMT6016  [DMT6016LFDF]  23.25 23 180 top
Q2#2  DMT6016  [DMT6016LFDF]  55.25 23 180 top
Q2#3  DMT6016  [DMT6016LFDF]  55.25 56 180 top
Q2#4  DMT6016  [DMT6016LFDF]  23.25 56 180 top
Q3  DMT6016  [DMT6016LFDF]  57.75 53.5 0 top
Q3#2  DMT6016  [DMT6016LFDF]  25.75 20.5 0 top
Q3#3  DMT6016  [DMT6016LFDF]  57.75 20.5 0 top
Q3#4  DMT6016  [DMT6016LFDF]  25.75 53.5 0 top
Q4  DMT6016  [DMT6016LFDF]  25.75 23 180 top
Q4#2  DMT6016  [DMT6016LFDF]  25.75 56 180 top
Q4#3  DMT6016  [DMT6016LFDF]  57.75 56 180 top
Q4#4  DMT6016  [DMT6016LFDF]  57.75 23 180 top
Q5  DMT6016  [DMT6016LFDF]  28.25 53.5 0 top
Q5#2  DMT6016  [DMT6016LFDF]  60.25 20.5 0 top
Q5#3  DMT6016  [DMT6016LFDF]  28.25 20.5 0 top
Q5#4  DMT6016  [DMT6016LFDF]  60.25 53.5 0 top
Q6  DMT6016  [DMT6016LFDF]  60.25 23 180 top
Q6#2  DMT6016  [DMT6016LFDF]  60.25 56 180 top
Q6#3  DMT6016  [DMT6016LFDF]  28.25 23 180 top
Q6#4  DMT6016  [DMT6016LFDF]  28.25 56 180 top
Q7  DMT6016  [DMT6016LFDF]  30.75 20.5 0 top
Q7#2  DMT6016  [DMT6016LFDF]  62.75 53.5 0 top
Q7#3  DMT6016  [DMT6016LFDF]  62.75 20.5 0 top
Q7#4  DMT6016  [DMT6016LFDF]  30.75 53.5 0 top
Q8  DMT6016  [DMT6016LFDF]  30.75 56 180 top
Q8#2  DMT6016  [DMT6016LFDF]  62.75 23 180 top
Q8#3  DMT6016  [DMT6016LFDF]  30.75 23 180 top
Q8#4  DMT6016  [DMT6016LFDF]  62.75 56 180 top
Q9  DMT6016  [DMT6016LFDF]  43.25 20.5 0 top
Q9#2  DMT6016  [DMT6016LFDF]  11.25 53.5 0 top
Q9#3  DMT6016  [DMT6016LFDF]  43.25 53.5 0 top
Q9#4  DMT6016  [DMT6016LFDF]  11.25 20.5 0 top
Q10  DMT6016  [DMT6016LFDF]  11.25 23 180 top
Q10#2  DMT6016  [DMT6016LFDF]  43.25 56 180 top
Q10#3  DMT6016  [DMT6016LFDF]  11.25 56 180 top
Q10#4  DMT6016  [DMT6016LFDF]  43.25 23 180 top
Q11  DMT6016  [DMT6016LFDF]  13.75 20.5 0 top
Q11#2  DMT6016  [DMT6016LFDF]  45.75 20.5 0 top
Q11#3  DMT6016  [DMT6016LFDF]  13.75 53.5 0 top
Q11#4  DMT6016  [DMT6016LFDF]  45.75 53.5 0 top
Q12  DMT6016  [DMT6016LFDF]  45.75 23 180 top
Q12#2  DMT6016  [DMT6016LFDF]  45.75 56 180 top
Q12#3  DMT6016  [DMT6016LFDF]  13.75 56 180 top
Q12#4  DMT6016  [DMT6016LFDF]  13.75 23 180 top
Q13  DMT6016  [DMT6016LFDF]  48.25 20.5 0 top
Q13#2  DMT6016  [DMT6016LFDF]  48.25 53.5 0 top
Q13#3  DMT6016  [DMT6016LFDF]  16.25 20.5 0 top
Q13#4  DMT6016  [DMT6016LFDF]  16.25 53.5 0 top
Q14  DMT6016  [DMT6016LFDF]  48.25 23 180 top
Q14#2  DMT6016  [DMT6016LFDF]  16.25 56 180 top
Q14#3  DMT6016  [DMT6016LFDF]  48.25 56 180 top
Q14#4  DMT6016  [DMT6016LFDF]  16.25 23 180 top
Q15  DMT6016  [DMT6016LFDF]  50.75 53.5 0 top
Q15#2  DMT6016  [DMT6016LFDF]  18.75 20.5 0 top
Q15#3  DMT6016  [DMT6016LFDF]  50.75 20.5 0 top
Q15#4  DMT6016  [DMT6016LFDF]  18.75 53.5 0 top
Q16  DMT6016  [DMT6016LFDF]  18.75 23 180 top
Q16#2  DMT6016  [DMT6016LFDF]  50.75 23 180 top
Q16#3  DMT6016  [DMT6016LFDF]  50.75 56 180 top
Q16#4  DMT6016  [DMT6016LFDF]  18.75 56 180 top
R1  4.7kΩ  [0402R]  29 41.25 0 top
R1#2  4.7kΩ  [0402R]  61 41.25 0 top
R1#3  4.7kΩ  [0402R]  61 8.25 0 top
R1#4  4.7kΩ  [0402R]  29 8.25 0 top
R2  10kΩ  [0402R]  63 41.25 0 top
R2#2  10kΩ  [0402R]  31 41.25 0 top
R2#3  10kΩ  [0402R]  63 8.25 0 top
R2#4  10kΩ  [0402R]  31 8.25 0 top
R3  10kΩ  [0402R]  21.5 44.75 90 top
R3#2  10kΩ  [0402R]  53.5 44.75 90 top
R3#3  10kΩ  [0402R]  21.5 11.75 90 top
R3#4  10kΩ  [0402R]  53.5 11.75 90 top
R4  10kΩ  [0402R]  19 41.25 0 top
R4#2  10kΩ  [0402R]  51 8.25 0 top
R4#3  10kΩ  [0402R]  19 8.25 0 top
R4#4  10kΩ  [0402R]  51 41.25 0 top
R5  10kΩ  [0402R]  9 11.25 180 top
R5#2  10kΩ  [0402R]  9 44.25 180 top
R5#3  10kΩ  [0402R]  41 44.25 180 top
R5#4  10kΩ  [0402R]  41 11.25 180 top
R6  4.7kΩ  [0402R]  17 8.25 0 top
R6#2  4.7kΩ  [0402R]  49 8.25 0 top
R6#3  4.7kΩ  [0402R]  17 41.25 0 top
R6#4  4.7kΩ  [0402R]  49 41.25 0 top
R7  1kΩ  [0402R]  49 40.25 0 top
R7#2  1kΩ  [0402R]  17 7.25 0 top
R7#3  1kΩ  [0402R]  17 40.25 0 top
R7#4  1kΩ  [0402R]  49 7.25 0 top
R8  47Ω  [0402R]  54.5 60.5 180 bottom
R8#2  47Ω  [0402R]  54.5 27.5 180 bottom
R8#3  47Ω  [0402R]  22.5 27.5 180 bottom
R8#4  47Ω  [0402R]  22.5 60.5 180 bottom
R9  47Ω  [0402R]  54.5 28.5 180 bottom
R9#2  47Ω  [0402R]  22.5 61.5 180 bottom
R9#3  47Ω  [0402R]  54.5 61.5 180 bottom
R9#4  47Ω  [0402R]  22.5 28.5 180 bottom
R10  50mΩ  [R_1206_3216Metric]  24.5 27.5 90 bottom
R10#2  50mΩ  [R_1206_3216Metric]  56.5 27.5 90 bottom
R10#3  50mΩ  [R_1206_3216Metric]  24.5 60.5 90 bottom
R10#4  50mΩ  [R_1206_3216Metric]  56.5 60.5 90 bottom
R11  47Ω  [0402R]  26.5 60.5 180 bottom
R11#2  47Ω  [0402R]  26.5 27.5 180 bottom
R11#3  47Ω  [0402R]  58.5 60.5 180 bottom
R11#4  47Ω  [0402R]  58.5 27.5 180 bottom
R12  47Ω  [0402R]  58.5 61.5 180 bottom
R12#2  47Ω  [0402R]  26.5 28.5 180 bottom
R12#3  47Ω  [0402R]  58.5 28.5 180 bottom
R12#4  47Ω  [0402R]  26.5 61.5 180 bottom
R13  50mΩ  [R_1206_3216Metric]  28.5 60.5 90 bottom
R13#2  50mΩ  [R_1206_3216Metric]  60.5 60.5 90 bottom
R13#3  50mΩ  [R_1206_3216Metric]  60.5 27.5 90 bottom
R13#4  50mΩ  [R_1206_3216Metric]  28.5 27.5 90 bottom
R14  47Ω  [0402R]  15.5 60.5 0 bottom
R14#2  47Ω  [0402R]  15.5 27.5 0 bottom
R14#3  47Ω  [0402R]  47.5 27.5 0 bottom
R14#4  47Ω  [0402R]  47.5 60.5 0 bottom
R15  47Ω  [0402R]  15.5 61.5 0 bottom
R15#2  47Ω  [0402R]  47.5 61.5 0 bottom
R15#3  47Ω  [0402R]  47.5 28.5 0 bottom
R15#4  47Ω  [0402R]  15.5 28.5 0 bottom
R16  1kΩ  [0402R]  29 40.25 0 top
R16#2  1kΩ  [0402R]  29 7.25 0 top
R16#3  1kΩ  [0402R]  61 40.25 0 top
R16#4  1kΩ  [0402R]  61 7.25 0 top
R17  50mΩ  [R_1206_3216Metric]  13.5 60.5 90 bottom
R17#2  50mΩ  [R_1206_3216Metric]  45.5 60.5 90 bottom
R17#3  50mΩ  [R_1206_3216Metric]  13.5 27.5 90 bottom
R17#4  50mΩ  [R_1206_3216Metric]  45.5 27.5 90 bottom
R18  50mΩ  [R_1206_3216Metric]  17.5 27.5 90 bottom
R18#2  50mΩ  [R_1206_3216Metric]  17.5 60.5 90 bottom
R18#3  50mΩ  [R_1206_3216Metric]  49.5 60.5 90 bottom
R18#4  50mΩ  [R_1206_3216Metric]  49.5 27.5 90 bottom
R19  47Ω  [0402R]  19.5 27.5 0 bottom
R19#2  47Ω  [0402R]  51.5 60.5 0 bottom
R19#3  47Ω  [0402R]  19.5 60.5 0 bottom
R19#4  47Ω  [0402R]  51.5 27.5 0 bottom
R20  4.7kΩ  [0402R]  58.5 7.75 270 top
R20#2  4.7kΩ  [0402R]  26.5 7.75 270 top
R20#3  4.7kΩ  [0402R]  58.5 40.75 270 top
R20#4  4.7kΩ  [0402R]  26.5 40.75 270 top
R21  47Ω  [0402R]  51.5 28.5 0 bottom
R21#2  47Ω  [0402R]  19.5 28.5 0 bottom
R21#3  47Ω  [0402R]  19.5 61.5 0 bottom
R21#4  47Ω  [0402R]  51.5 61.5 0 bottom
T1  DIAG  [LGA_Land_2.5mm]  14.75 16 270 bottom
T1#2  DIAG  [LGA_Land_2.5mm]  14.75 49 270 bottom
T1#3  DIAG  [LGA_Land_2.5mm]  46.75 49 270 bottom
T1#4  DIAG  [LGA_Land_2.5mm]  46.75 16 270 bottom
T2  CS0  [LGA_Land_2.5mm]  11.75 16 90 bottom
T2#2  CS0  [LGA_Land_2.5mm]  43.75 16 90 bottom
T2#3  CS0  [LGA_Land_2.5mm]  11.75 49 90 bottom
T2#4  CS0  [LGA_Land_2.5mm]  43.75 49 90 bottom
T3  12V  [LGA_Land_2.5mm]  46.25 40.5 0 bottom
T3#2  12V  [LGA_Land_2.5mm]  14.25 40.5 0 bottom
T3#3  12V  [LGA_Land_2.5mm]  14.25 7.5 0 bottom
T3#4  12V  [LGA_Land_2.5mm]  46.25 7.5 0 bottom
T4  SCK  [LGA_Land_2.5mm]  15.75 7.5 0 bottom
T4#2  SCK  [LGA_Land_2.5mm]  15.75 40.5 0 bottom
T4#3  SCK  [LGA_Land_2.5mm]  47.75 7.5 0 bottom
T4#4  SCK  [LGA_Land_2.5mm]  47.75 40.5 0 bottom
T5  GND  [LGA_Land_2.5mm]  18.75 7.5 0 bottom
T5#2  GND  [LGA_Land_2.5mm]  18.75 40.5 0 bottom
T5#3  GND  [LGA_Land_2.5mm]  50.75 7.5 0 bottom
T5#4  GND  [LGA_Land_2.5mm]  50.75 40.5 0 bottom
T6  SDI  [LGA_Land_2.5mm]  17.25 7.5 0 bottom
T6#2  SDI  [LGA_Land_2.5mm]  49.25 7.5 0 bottom
T6#3  SDI  [LGA_Land_2.5mm]  17.25 40.5 0 bottom
T6#4  SDI  [LGA_Land_2.5mm]  49.25 40.5 0 bottom
T7  SDO  [LGA_Land_2.5mm]  52.25 7.5 0 bottom
T7#2  SDO  [LGA_Land_2.5mm]  20.25 40.5 0 bottom
T7#3  SDO  [LGA_Land_2.5mm]  52.25 40.5 0 bottom
T7#4  SDO  [LGA_Land_2.5mm]  20.25 7.5 0 bottom
T8  VCC  [LGA_Land_2.5mm]  53.75 7.5 0 bottom
T8#2  VCC  [LGA_Land_2.5mm]  21.75 7.5 0 bottom
T8#3  VCC  [LGA_Land_2.5mm]  21.75 40.5 0 bottom
T8#4  VCC  [LGA_Land_2.5mm]  53.75 40.5 0 bottom
T9  Therm  [LGA_Land_2.5mm]  28.25 40.5 90 bottom
T9#2  Therm  [LGA_Land_2.5mm]  60.25 40.5 90 bottom
T9#3  Therm  [LGA_Land_2.5mm]  60.25 7.5 90 bottom
T9#4  Therm  [LGA_Land_2.5mm]  28.25 7.5 90 bottom
T10  CS0  [LGA_Land_2.5mm]  60.25 49 90 bottom
T10#2  CS0  [LGA_Land_2.5mm]  28.25 16 90 bottom